# KiCad board OLD_PCB.kicad_pcb (continued)
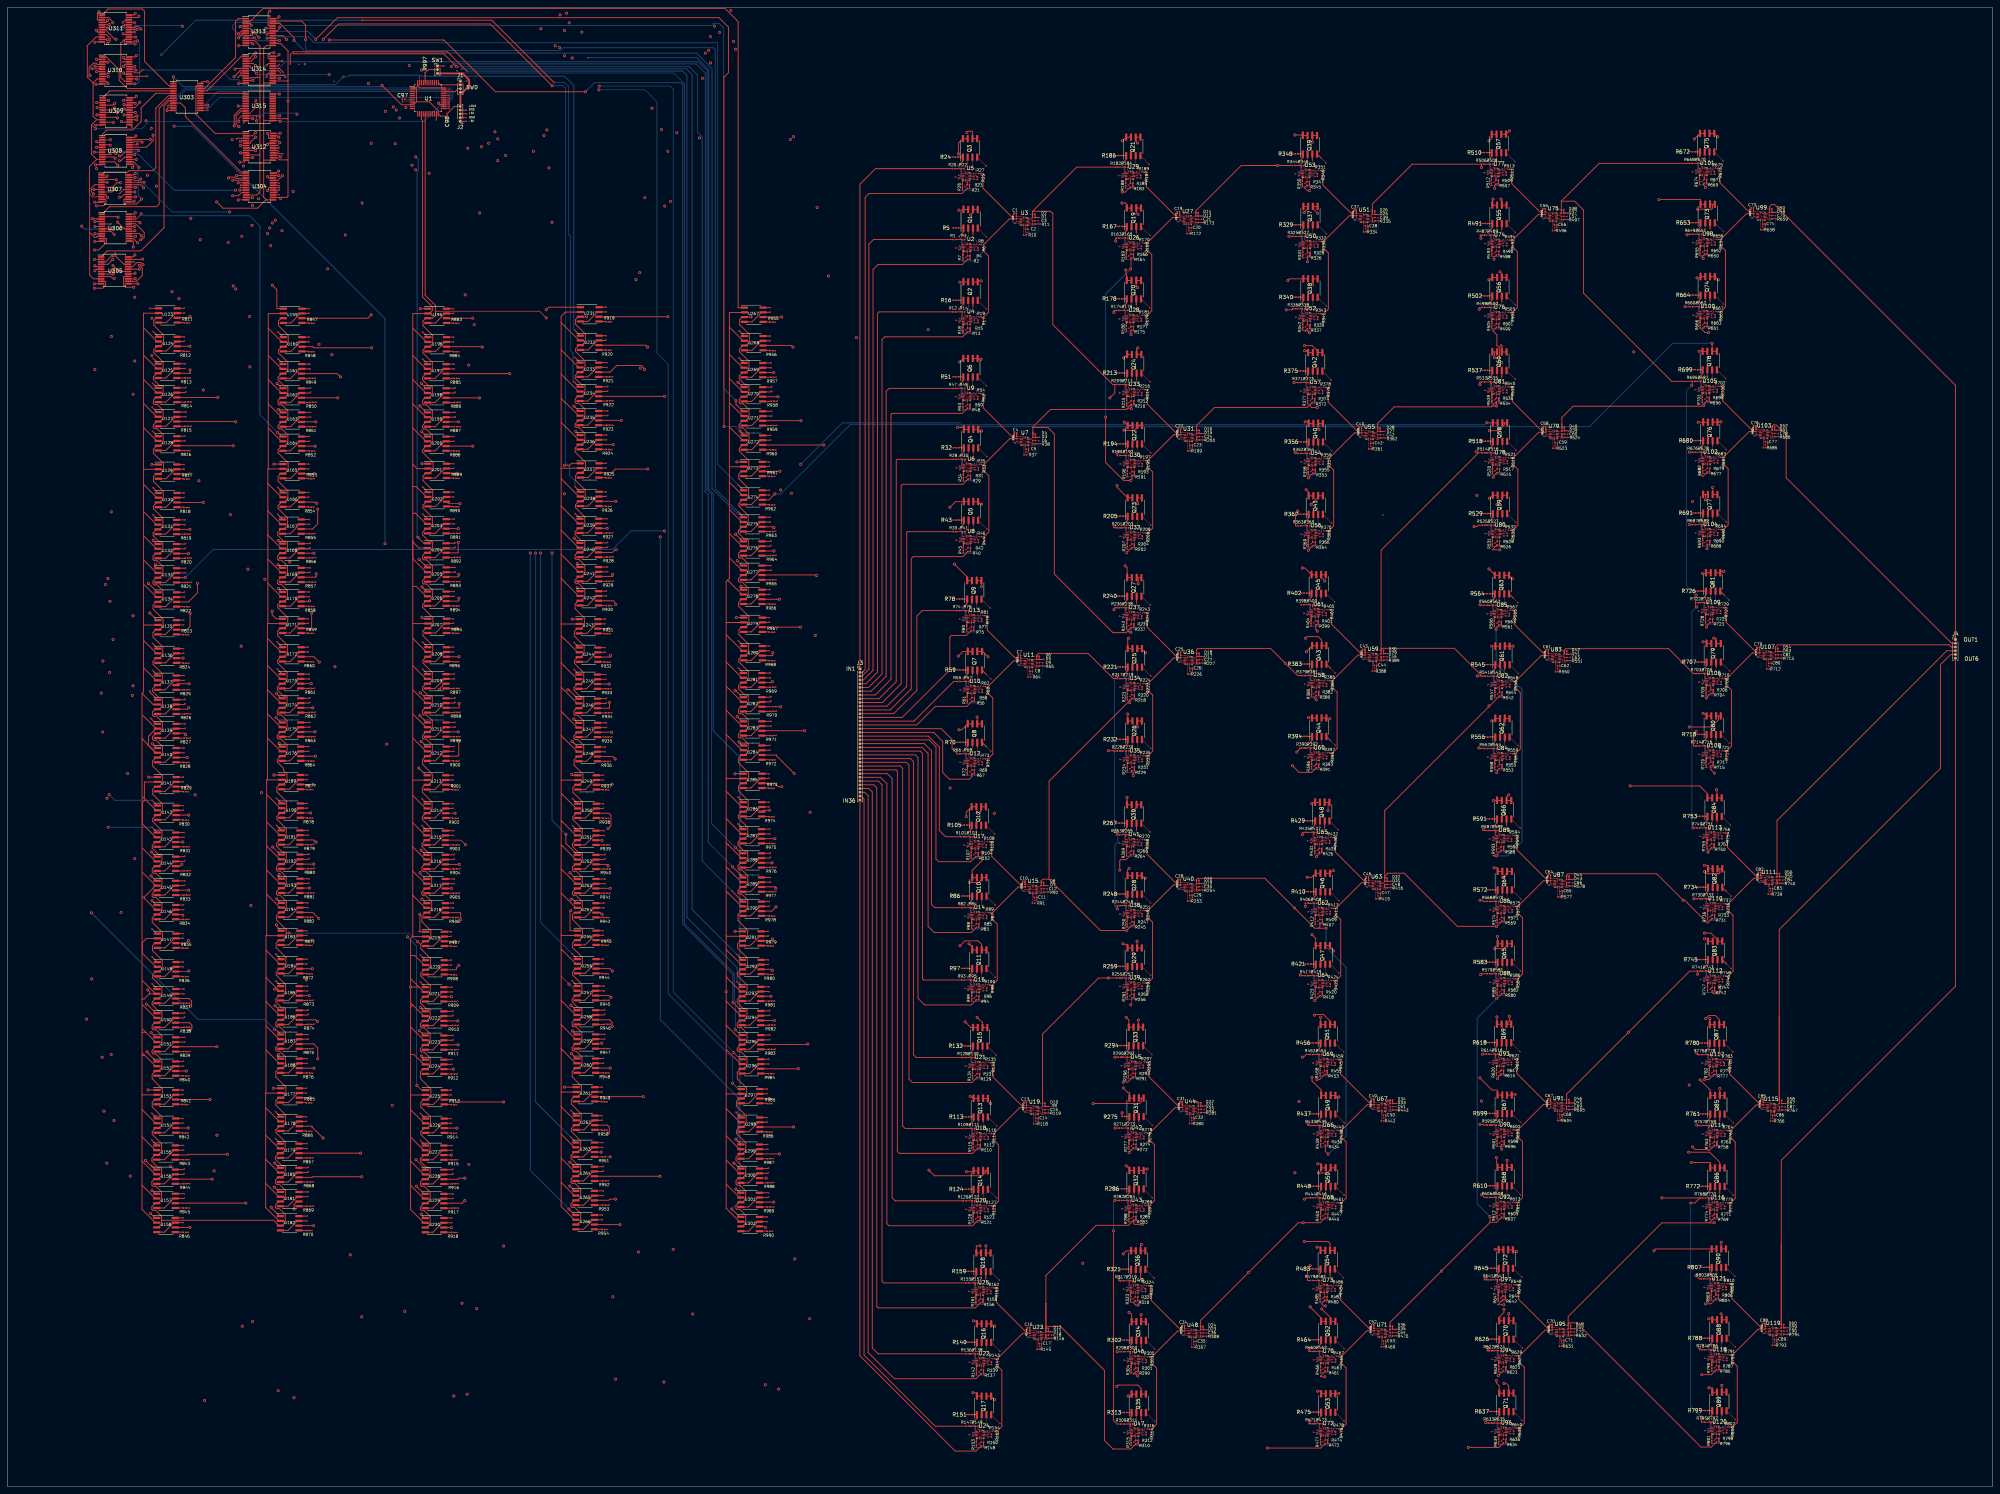
[diagram p0: board, top side]
## Routing (per net, layer and track width the routed paths; a pad name or vN(x,y) marks a point on that pad's centre or on a via; arc(x,y) is an arc through that point) (continued)
/Neuron6_13/IN2: length 363.8
  Top w0.1: U55.13 364.46,281.69 364.61,281.54 365.6,281.54 365.84,281.78
  Top w0.25: 396.19,288.34 396.42,288.57 v2(397.57,288.57) R534.1 ; 396.19,288.34 370.24,288.34 365.83,283.93 365.83,282.86 ; 396.19,288.34 397.56,289.72 397.57,289.72 ; R642.1 399.26,49.92 397.89,48.54 v2(399.51,48.54) ; R561.1 398.22,230.06 397.25,229.1 v2(397.45,228.9) ; v2(397.08,346.71) 397.08,347.53 397.42,347.86 R507.1 ; D27.2 365.83,281.79 365.83,282.86 ; v2(397.84,108.94) 397.84,109.23 398.8,110.19 R615.1 ; R588.1 398.82,169.92 397.45,168.54 396.68,168.54 396.79,168.43 v2(397.56,168.43) ; 365.83,282.86 D28.1
  In3.Cu w0.25: v2(397.56,168.43) 399.97,166.02 399.97,114.92 399.72,114.67 399.72,110.83 v2(397.84,108.94) 399.7,107.08 399.7,88.42 399.51,88.23 v2(399.51,48.54) ; v2(397.45,228.9) 398.18,229.64 398.18,249.4 397.71,249.87 397.71,256 396.98,256.73 396.98,268.68 398.17,269.88 398.17,287.97 v2(397.57,288.57) 398.19,289.18 398.19,304.19 398.03,304.35 398.03,311.32 397.65,311.69 397.65,325.86 397.73,325.94 397.73,346.06 v2(397.08,346.71)
  Bottom w0.25: v2(397.56,168.43) 400.63,168.43 404.38,172.19 404.38,212.86 397.45,219.8 v2(397.45,228.9)
/Neuron6_13/IN3: length 347.4
  Top w0.1: U59.13 365.39,222.35 U59.12 366.52,222.2 D29.2
  Top w0.25: R541.1 394.48,216.41 393.75,216.41 ; 393.75,216.41 393.4,216.41 393.35,216.47 v2(392.45,216.47) ; 393.75,216.41 386.31,223.86 367,223.86 366.76,223.61 D30.1 366.76,223.23 ; 366.76,223.23 366.76,222.45 D29.2 ; 366.76,223.23 366.76,250.07 392.75,276.06 ; v2(393.4,333.36) 393.4,333.95 393.14,334.21 R487.1 ; 392.75,276.06 393.83,276.06 ; 392.75,276.06 392.47,276.35 v2(392.14,276.35) ; v2(393.15,156.59) 393.69,156.59 394.01,156.26 R568.1 ; R595.1 395.06,96.54 393.98,96.54 393.82,96.71 v2(393.15,96.71) ; v2(395.29,37.07) 395.29,36.56 394.99,36.26 R622.1
  In1.Cu w0.25: v2(392.14,276.35) 392.02,276.47 392.02,331.99 v2(393.4,333.36)
  In3.Cu w0.25: v2(392.45,216.47) 392.09,216.11 392.09,157.64 v2(393.15,156.59) 392.36,155.8 392.36,97.49 v2(393.15,96.71) 392.78,96.34 392.78,39.58 v2(395.29,37.07)
/Neuron6_13/OUT: length 358.7
  Top w0.1: U75.13 413.5,340 U75.12 414.64,339.85 D37.2
  Top w0.2: v2(450.86,238) 450.73,237.88 R722.1 450.73,235.16 v2(450.98,234.91) ; v2(449.7,294.1) 449.83,294.23 R695.1
  Top w0.25: D38.1 414.87,340.88 ; 414.87,340.88 414.87,343.27 ; 414.87,340.88 414.87,340.1 D37.2 414.88,340.09 414.76,339.97 ; R695.1 444.34,295.16 420.8,318.7 420.8,340.9 418.43,343.27 414.87,343.27 ; v2(450.96,115.84) 450.96,115.57 451.19,115.34 R776.1 ; R668.1 424.96,353.36 414.87,343.27 ; v2(450.85,56.33) 451.72,55.45 R803.1 ; R749.1 v2(450.04,175.9)
  In3.Cu w0.25: 450.5,115.84 450.24,115.58 450.24,91.41 450.85,90.81 v2(450.85,56.33) ; 450.5,115.84 449.55,116.79 449.55,175.4 v2(450.04,175.9) ; 450.5,115.84 v2(450.96,115.84)
  Bottom w0.2: v2(450.04,175.9) 449.74,176.2 449.74,233.66 v2(450.98,234.91) ; v2(450.86,238) 448.3,240.56 448.3,292.7 v2(449.7,294.1)
/Neuron6_14/Adder2/SUM_IN: length 73
  Top w0.1: 410.74,281.57 410.87,281.7 U79.1
  Top w0.25: R540.2 401.8,293.61 v1(401.8,291.9) 401.8,289.79 410.02,281.57 ; 396.47,271.14 396.47,270.38 v1(396.45,270.36) ; 410.02,281.57 408.85,281.57 401.95,274.67 v1(401.95,272.96) 403.27,271.64 403.27,256.67 401.94,255.35 v1(401.94,253.64) ; 410.02,281.57 410.74,281.57 ; R539.2 396.32,289.7 396.32,289.7 ; R531.2 396.46,251.06 v1(396.44,251.04) ; v1(396.3,289.3) 396.32,289.32 396.32,289.7 ; 396.32,290.08 396.32,289.7
  Bottom w0.25: v1(401.8,291.9) 399.2,289.3 v1(396.3,289.3) ; v1(396.44,251.04) 399.34,251.04 v1(401.94,253.64) ; v1(401.95,272.96) 399.35,270.36 v1(396.45,270.36)
/Neuron6_14/OUT: length 364.6
  Top w0.1: 415.03,281.94 414.79,281.7 U79.12 413.65,281.85 U79.13
  Top w0.25: 415.02,281.95 D39.2 ; 415.02,281.95 415.02,281.95 415.02,283.74 ; 415.02,281.95 415.03,281.94 ; 453.72,289.88 R696.1 453.71,289.88 452.75,288.92 ; 452.75,288.92 452.34,288.51 418.01,288.51 415.02,285.52 415.02,283.74 ; 452.75,288.92 v2(452.95,288.72) ; v2(453.38,346.93) 453.38,347.05 452.68,347.75 453.01,348.08 R669.1 ; R804.1 456.15,50.17 454.78,48.8 v2(453.38,48.8) ; 415.02,283.74 415.02,283.73 D40.1 ; v2(453.65,229.53) 453.65,229.8 454.62,230.76 R723.1 ; v2(454.04,169.38) 454.04,169.65 455,170.61 R750.1 ; R777.1 455.61,110.05 454.24,108.68 v2(453.07,108.68)
  In1.Cu w0.25: v2(453.38,48.8) 452.03,50.14 452.03,57.27 451.6,57.7 451.6,58.79 451.73,58.91 451.73,79.39 451.24,79.87 451.24,87.08 451.87,87.71 451.87,97.97 453.07,99.17 v2(453.07,108.68) ; v2(452.95,288.72) 452.95,272.03 451.77,270.85 451.77,258.85 450.08,257.16 450.08,232.87 453.43,229.53 v2(453.65,229.53)
  In3.Cu w0.25: v2(452.95,288.72) 453.68,289.46 453.68,307.66 453.42,307.92 453.42,308.64 453.61,308.83 453.61,346.7 v2(453.38,346.93) ; 455,169.38 455,215.07 453.65,216.41 v2(453.65,229.53) ; 455,169.38 455.26,169.12 455.26,112.1 453.07,109.91 v2(453.07,108.68) ; 455,169.38 v2(454.04,169.38)
/Neuron6_15/Adder2/SUM_IN: length 72.6
  Top w0.1: U83.1 411.53,222.05 R549.1
  Top w0.25: v1(396.95,229.65) 396.97,229.66 R566.2 ; 410.67,221.92 402.45,230.13 v1(402.45,232.25) 402.45,233.95 R567.2 ; 410.67,221.92 R549.1 ; 410.67,221.92 409.5,221.92 R548.2 402.6,215.02 v1(402.6,213.31) 403.92,211.99 403.92,197.02 402.6,195.69 v1(402.6,193.98) ; v1(397.1,210.71) 397.12,210.73 R547.2 ; 397.12,192.17 397.12,191.4 v1(397.1,191.38)
  Bottom w0.25: v1(402.6,193.98) 400,191.38 v1(397.1,191.38) ; v1(402.45,232.25) 399.85,229.65 v1(396.95,229.65) ; v1(397.1,210.71) 400,210.71 v1(402.6,213.31)
/Neuron6_15/OUT: length 348.1
  Top w0.1: U83.13 414.3,222.2 U83.12 415.44,222.05 D41.2
  Top w0.25: v2(448.44,334.32) 448.44,334.32 448.55,334.43 R649.1 ; v2(451.02,96.53) 451.15,96.4 R757.1 ; 449.98,276.23 R676.1 v2(449.09,276.23) ; 415.68,222.29 D41.2 415.68,222.29 ; 415.68,222.29 415.67,222.3 415.67,222.74 ; R784.1 452.41,36.52 451.76,36.52 v2(451.76,37.09) ; v2(450.27,156.96) R730.1 ; D42.1 415.67,222.74 ; D42.1 415.67,222.74 ; D42.1 415.67,223.41 416.03,223.77 443.5,223.77 v2(447.1,220.16) 450.15,217.11 R703.1
  In1.Cu w0.25: v2(451.76,37.09) 451.57,37.27 451.57,57.09 451.15,57.51 451.15,58.98 451.27,59.1 451.27,78.64 450.74,79.18 450.74,96.24 v2(451.02,96.53) ; v2(449.09,276.23) 447.1,274.24 v2(447.1,220.16) 447.1,160.13 v2(450.27,156.96)
  In3.Cu w0.25: v2(449.09,276.23) 448.63,276.68 448.63,316.77 448.21,317.19 448.21,334.09 v2(448.44,334.32) ; v2(451.02,96.53) 451.02,114.54 451.7,115.22 451.7,116.28 450.27,117.7 v2(450.27,156.96)
/Neuron6_16/Adder2/SUM_IN: length 73
  Top w0.1: U87.1 412.13,161.9 412,161.77
  Top w0.25: 411.28,161.77 410.11,161.77 403.21,154.87 v1(403.21,153.16) 404.53,151.84 404.53,136.87 403.2,135.55 v1(403.2,133.84) ; 411.28,161.77 403.06,169.99 v1(403.06,172.1) 403.06,173.81 R594.2 ; 411.28,161.77 412,161.77 ; R593.2 397.58,169.9 397.58,169.9 ; R585.2 397.72,131.26 v1(397.7,131.24) ; 397.58,170.28 397.58,169.9 ; 397.58,169.9 397.58,169.52 v1(397.56,169.5) ; 397.73,151.35 397.73,150.58 v1(397.71,150.56)
  Bottom w0.25: v1(403.2,133.84) 400.6,131.24 v1(397.7,131.24) ; v1(397.56,169.5) 400.46,169.5 v1(403.06,172.1) ; v1(403.21,153.16) 400.61,150.56 v1(397.71,150.56)
/Neuron6_16/OUT: length 373.2
  Top w0.1: U87.13 414.91,162.05 U87.12 416.05,161.9 416.29,162.14
  Top w0.25: v2(451.7,271.81) 451.7,270.83 452.07,270.45 452.07,270.31 452.6,269.79 452.7,269.79 453.86,270.94 R677.1 ; v2(452.76,327.98) 452.38,328.36 453.16,329.14 R650.1 ; R758.1 455.76,91.12 454.5,89.86 453.97,89.86 453.82,90.01 450.61,90.01 v2(449.91,90.72) ; 456.31,31.23 R785.1 ; 456.31,31.23 456.3,31.23 454.94,29.87 v2(452.35,29.87) ; 456.31,31.23 456.31,31.23 ; 416.28,162.15 416.29,162.14 ; 416.28,162.15 416.28,162.15 D44.1 416.28,163.28 416.65,163.65 440.33,163.65 v2(447.4,156.59) 447.79,156.59 453.89,150.49 453.96,150.49 455.15,151.68 R731.1 ; 416.28,162.15 D43.2 ; R704.1 454.77,211.83 453.8,210.86 453.8,210.77 v2(453.62,210.59)
  In1.Cu w0.25: v2(447.4,156.59) 447.4,93.23 v2(449.91,90.72)
  In3.Cu w0.25: v2(452.35,29.87) 450.12,32.1 450.12,79.4 450.35,79.63 450.35,90.27 v2(449.91,90.72) ; 453.5,210.59 450.12,213.96 450.12,258.6 451.7,260.17 v2(451.7,271.81) 452.21,272.31 452.21,287.43 451.86,287.77 451.86,289.82 452.42,290.38 452.42,308.28 453.15,309.01 453.15,327.59 v2(452.76,327.98) ; 453.5,210.59 447.4,204.49 v2(447.4,156.59) ; 453.5,210.59 v2(453.62,210.59)
/Neuron6_17/Adder2/SUM_IN: length 73
  Top w0.1: R603.1 412.11,102.18 U91.1
  Top w0.25: v1(403.18,74.11) 403.18,75.82 404.5,77.15 404.5,92.12 v1(403.18,93.44) 403.18,95.15 410.08,102.05 411.25,102.05 ; v1(397.53,109.78) 397.55,109.79 397.55,110.18 ; 397.55,110.18 R620.2 397.55,110.18 ; R601.2 397.7,90.86 v1(397.68,90.84) ; v1(397.68,71.51) 397.7,71.53 R612.2 ; 411.25,102.05 403.03,110.26 v1(403.03,112.38) 403.03,114.08 R621.2 ; 411.25,102.05 R603.1
  Bottom w0.25: v1(403.18,93.44) 400.58,90.84 v1(397.68,90.84) ; v1(397.53,109.78) 400.44,109.78 v1(403.03,112.38) ; v1(397.68,71.51) 400.58,71.51 v1(403.18,74.11)
/Neuron6_17/OUT: length 363.4
  Top w0.1: D45.2 416.02,102.18 U91.12 414.88,102.33 U91.13
  Top w0.25: 416.26,102.42 D45.2 416.26,102.42 ; 416.26,102.42 416.25,102.43 416.25,103.31 ; v2(447.91,315.1) R660.1 ; 450.88,197.79 450.88,197.79 ; 450.88,197.79 450.15,197.79 450.15,200.98 v2(450.89,201.72) ; 450.88,197.79 R714.1 ; v2(441.75,77.08) R768.1 450.5,75.7 v2(449.39,75.7) ; v2(451.26,136.82) R741.1 451.26,137.64 449.14,137.64 v2(432.8,121.3) 416.3,104.8 416.3,103.35 416.25,103.31 ; v2(449.07,256.9) 449.97,256.9 R687.1 ; 416.25,103.31 D46.1 ; R795.1 452.3,17.3 v2(452.3,18.5)
  In1.Cu w0.25: v2(449.07,256.9) 449.07,204.32 450.89,202.5 v2(450.89,201.72) 449.31,200.14 449.31,159.15 451.01,157.45 451.01,154.86 451.72,154.15 451.72,137.28 v2(451.26,136.82)
  In3.Cu w0.25: v2(449.07,256.9) 447.91,258.06 v2(447.91,315.1) ; v2(441.74,77.08) 441.74,112.36 v2(432.8,121.3)
  Bottom w0.25: v2(449.39,75.7) 449.39,21.41 v2(452.3,18.5)
/Neuron6_18/Adder2/SUM_IN: length 73
  Top w0.1: 412.44,41.77 412.57,41.9 U95.1
  Top w0.25: 411.72,41.77 410.55,41.77 403.65,34.87 v1(403.65,33.16) 404.97,31.84 404.97,16.87 403.64,15.55 v1(403.64,13.84) ; 411.72,41.77 412.44,41.77 ; 411.72,41.77 403.5,49.99 v1(403.5,52.1) 403.5,53.81 R648.2 ; 398.02,49.9 398.02,49.52 v1(398,49.5) ; 398.02,49.9 398.02,49.9 R647.2 ; 398.02,49.9 398.02,50.28 ; v1(398.15,30.56) 398.17,30.58 398.17,31.35 ; R639.2 398.16,11.26 v1(398.14,11.24)
  Bottom w0.25: v1(398.14,11.24) 401.04,11.24 v1(403.64,13.84) ; v1(398,49.5) 400.9,49.5 v1(403.5,52.1) ; v1(403.65,33.16) 401.05,30.56 v1(398.15,30.56)
/Neuron6_18/OUT: length 362.8
  Top w0.1: 416.73,42.14 416.49,41.9 U95.12 415.35,42.05 U95.13
  Top w0.25: 416.72,43.22 416.72,43.42 417,43.7 419,43.7 452.17,10.53 454.92,10.53 456.29,11.91 R796.1 ; 416.72,43.22 D48.1 ; 416.72,43.22 D48.1 ; 416.72,42.15 416.72,42.15 D48.1 ; 416.72,42.15 D47.2 ; 416.72,42.15 416.73,42.14 ; v2(453.78,250.47) 453.86,250.55 453.86,251.62 453.87,251.62 ; 454.39,70.42 441.72,70.42 416.7,45.4 416.7,43.05 D48.1 ; 454.39,70.42 455.62,70.42 v2(455.7,70.5) ; 454.39,70.42 455.76,71.79 R769.1 ; R661.1 453.16,309.82 452.39,309.05 453.25,308.19 v2(454.18,308.19) ; 455.15,132.35 R742.1 455.15,131.95 455.5,131.6 456.9,131.6 457.2,131.9 v2(457.2,133.7) ; 453.87,251.62 R688.1 453.87,251.62 ; v2(455.74,190.52) 454.71,191.55 454.77,191.61 R715.1 454.76,192.5
  In3.Cu w0.25: v2(454.18,308.19) 454.18,250.87 v2(453.78,250.47) 454.81,249.44 454.81,219.82 455.74,218.88 v2(455.74,190.52) 455.57,190.35 455.57,169.93 456.32,169.18 456.32,134.58 v2(457.2,133.7) 456.46,132.96 456.46,71.26 v2(455.7,70.5)
/Neuron6_19/Adder2/SUM_IN: length 72.6
  Top w0.1: 467.35,340.06 466.32,340.06 R657.1
  Top w0.25: R666.2 451.91,309.42 v1(451.89,309.4) ; R674.2 451.77,347.68 v1(451.75,347.66) ; 465.47,339.93 457.25,348.15 v1(457.25,350.26) 457.25,351.97 R675.2 ; 465.47,339.93 R657.1 ; 465.47,339.93 464.3,339.93 R656.2 ; 457.42,333.06 457.4,333.03 v1(457.4,331.33) 458.72,330.01 458.72,315.03 R667.2 457.39,313.71 v1(457.39,312) ; 457.42,333.06 R656.2 ; 457.42,333.06 R656.2 ; 451.92,329.51 451.92,328.75 v1(451.9,328.73)
  Bottom w0.25: v1(457.25,350.26) 454.65,347.66 v1(451.75,347.66) ; v1(457.4,331.33) 454.8,328.73 v1(451.9,328.73) ; v1(451.89,309.4) 454.79,309.4 v1(457.39,312)
/Neuron6_20/Adder2/SUM_IN: length 72.7
  Top w0.1: 468.05,281.86 467.02,281.86 R684.1
  Top w0.25: v1(458.09,253.8) 458.09,255.51 R694.2 459.42,256.84 459.42,271.81 v1(458.1,273.13) 458.1,274.84 R683.2 465,281.73 466.17,281.73 ; 452.62,271.31 452.62,270.55 v1(452.6,270.53) ; R693.2 452.61,251.22 v1(452.59,251.2) ; 466.17,281.73 457.95,289.95 v1(457.95,292.06) 457.95,293.77 457.97,293.79 ; 466.17,281.73 R684.1 466.96,281.8 ; 452.47,290.25 452.47,289.48 v1(452.45,289.46) ; 457.97,293.79 458,293.82 457.97,293.79
  Bottom w0.25: v1(457.95,292.06) 455.35,289.46 v1(452.45,289.46) ; v1(452.59,251.2) 455.49,251.2 v1(458.09,253.8) ; v1(458.1,273.13) 455.5,270.53 v1(452.6,270.53)
/Neuron6_21/Adder2/SUM_IN: length 72.6
  Top w0.1: 468.95,222.75 467.93,222.75 R711.1 467.8,222.62
  Top w0.25: v1(453.5,211.41) 453.52,211.43 R709.2 ; 467.07,222.62 467.8,222.62 ; 467.07,222.62 465.9,222.62 R710.2 459,215.72 v1(459,214.01) 460.32,212.69 460.32,197.72 R721.2 459,196.39 v1(459,194.69) ; 467.07,222.62 458.85,230.83 v1(458.85,232.95) 458.85,234.65 R729.2 ; v1(453.35,230.35) 453.37,230.37 R728.2 ; 453.52,192.87 453.52,192.1 v1(453.5,192.09)
  Bottom w0.25: v1(453.35,230.35) 456.25,230.35 v1(458.85,232.95) ; v1(459,214.01) 456.4,211.41 v1(453.5,211.41) ; v1(459,194.69) 456.4,192.09 v1(453.5,192.09)
/Neuron6_22/Adder2/SUM_IN: length 72.6
  Top w0.1: U111.1 468.31,162.6 468.18,162.47
  Top w0.25: v1(453.88,131.94) 453.9,131.96 R747.2 ; 467.45,162.47 459.24,170.69 v1(459.24,172.8) 459.24,174.51 R756.2 ; 467.45,162.47 468.18,162.47 ; 467.45,162.47 466.29,162.47 R737.2 459.39,155.57 v1(459.39,153.86) 460.71,152.54 460.71,137.57 459.43,136.29 459.38,136.24 v1(459.38,134.54) ; R736.2 453.9,151.28 v1(453.89,151.26) ; R755.2 453.76,170.22 v1(453.74,170.2)
  Bottom w0.25: v1(459.39,153.86) 456.79,151.26 v1(453.89,151.26) ; v1(459.38,134.54) 456.78,131.94 v1(453.88,131.94) ; v1(453.74,170.2) 456.64,170.2 v1(459.24,172.8)
/Neuron6_23/Adder2/SUM_IN: length 73
  Top w0.1: 469.95,102.04 468.92,102.04 468.79,101.91
  Top w0.25: 459.87,113.97 R783.2 459.87,113.97 ; 459.87,113.97 459.85,113.94 v1(459.85,112.24) 459.85,110.12 468.07,101.91 ; v1(454.35,109.64) 454.37,109.66 454.37,110.04 ; v1(454.5,71.38) 454.51,71.39 R774.2 ; R782.2 454.37,110.04 454.37,110.04 ; v1(460,73.98) 460,75.68 461.32,77.01 461.32,91.98 v1(460,93.3) 460,95.01 466.9,101.91 468.07,101.91 ; 454.37,110.04 454.37,110.42 ; 468.07,101.91 468.79,101.91 ; v1(454.5,90.7) 454.52,90.72 454.52,91.48
  Bottom w0.25: v1(459.85,112.24) 457.25,109.64 v1(454.35,109.64) ; v1(454.5,71.38) 457.39,71.38 v1(460,73.98) ; v1(454.5,90.7) 457.4,90.7 v1(460,93.3)
/Neuron6_24/Adder2/SUM_IN: length 72.6
  Top w0.1: U119.1 469.46,42.15 R792.1
  Top w0.25: v1(455.03,11.49) 455.05,11.51 R801.2 ; v1(454.88,49.75) 454.9,49.77 R809.2 ; 460.41,54.08 R810.2 460.41,54.08 ; 460.41,54.08 460.38,54.06 v1(460.38,52.35) 460.38,50.24 468.6,42.02 ; 468.6,42.02 467.43,42.02 R791.2 460.53,35.12 v1(460.53,33.42) 461.85,32.1 461.85,17.12 460.57,15.84 460.53,15.8 v1(460.53,14.09) ; 468.6,42.02 R792.1 ; v1(455.03,30.81) 455.05,30.83 R790.2
  Bottom w0.25: v1(454.88,49.75) 457.78,49.75 v1(460.38,52.35) ; v1(455.03,11.49) 457.93,11.49 v1(460.53,14.09) ; v1(455.03,30.81) 457.93,30.81 v1(460.53,33.42)
/Neuron6_in1/Adder2/SUM_IN: length 73
  Top w0.1: R9.1 269.52,338.66 270.55,338.66
  Top w0.25: 255.11,308.4 255.11,308.4 R18.2 255.11,308.4 ; 255.11,308.4 255.11,308.02 v1(255.09,308) ; v1(254.95,346.26) 254.97,346.28 R26.2 ; 255.12,328.11 255.12,327.35 v1(255.1,327.33) ; 260.5,350.62 260.45,350.57 v1(260.45,348.86) 260.45,346.75 268.67,338.53 ; v1(260.59,310.6) 260.59,312.31 R19.2 261.92,313.63 261.92,328.61 v1(260.6,329.93) 260.6,331.63 R8.2 267.5,338.53 268.67,338.53 ; 268.67,338.53 R9.1
  Bottom w0.25: v1(260.59,310.6) 257.99,308 v1(255.09,308) ; v1(260.6,329.93) 258,327.33 v1(255.1,327.33) ; v1(254.95,346.26) 257.85,346.26 v1(260.45,348.86)
/Neuron6_in2/Adder2/SUM_IN: length 72.7
  Top w0.1: R36.1 269.62,279.96 270.65,279.96
  Top w0.25: 255.07,288.35 255.07,287.58 v1(255.05,287.56) ; 260.57,291.89 R54.2 260.57,291.89 ; 260.57,291.89 260.55,291.87 v1(260.55,290.16) 260.55,288.05 268.77,279.83 ; 268.77,279.83 R36.1 269.56,279.9 ; 268.77,279.83 267.6,279.83 R35.2 260.7,272.94 v1(260.7,271.23) 262.02,269.91 262.02,254.94 R46.2 260.69,253.61 v1(260.69,251.9) ; R45.2 255.21,249.32 v1(255.19,249.3) ; 255.22,269.41 255.22,268.65 v1(255.2,268.63)
  Bottom w0.25: v1(260.55,290.16) 257.95,287.56 v1(255.05,287.56) ; v1(255.19,249.3) 258.09,249.3 v1(260.69,251.9) ; v1(255.2,268.63) 258.1,268.63 v1(260.7,271.23)
/Neuron6_in3/Adder2/SUM_IN: length 73.4
  Top w0.1: 271.69,220.63 270.66,220.63 R63.1
  Top w0.25: 269.81,220.5 R63.1 ; 269.81,220.5 268.64,220.5 R62.2 261.74,213.6 v1(261.74,211.89) 263.06,210.57 263.06,195.6 R73.2 261.74,194.27 v1(261.74,192.57) ; 269.81,220.5 261.59,228.71 v1(261.59,230.83) 261.59,232.54 261.64,232.58 ; v1(256.24,209.29) 256.26,209.31 256.26,209.69 ; 256.26,190.37 R72.2 256.26,190.37 ; 256.26,190.37 256.26,189.99 v1(256.24,189.97) ; 256.26,210.07 256.26,209.69 ; 256.26,209.69 256.26,209.69 R61.2 ; 256.11,229.01 256.11,228.25 v1(256.09,228.23)
  Bottom w0.25: v1(256.24,209.29) 259.14,209.29 v1(261.74,211.89) ; v1(256.09,228.23) 258.99,228.23 v1(261.59,230.83) ; v1(256.24,189.97) 259.14,189.97 v1(261.74,192.57)
/Neuron6_in4/Adder2/SUM_IN: length 72.7
  Top w0.1: 272.88,160.24 271.86,160.24 271.73,160.11
  Top w0.25: 262.81,172.17 R108.2 262.81,172.17 ; 262.81,172.17 262.78,172.15 v1(262.78,170.44) 262.78,168.33 271,160.11 ; R107.2 257.3,167.86 v1(257.28,167.84) ; R88.2 257.45,148.92 v1(257.43,148.9) ; 271,160.11 269.83,160.11 R89.2 262.93,153.21 v1(262.93,151.5) 264.25,150.18 264.25,135.21 R100.2 262.93,133.89 v1(262.93,132.18) ; 271,160.11 271.73,160.11 ; R99.2 257.45,129.6 v1(257.43,129.58) ; R90.1 271.79,160.17 271.79,160.17
  Bottom w0.25: v1(257.28,167.84) 260.18,167.84 v1(262.78,170.44) ; v1(262.93,132.18) 260.33,129.58 v1(257.43,129.58) ; v1(262.93,151.5) 260.33,148.9 v1(257.43,148.9)
/Neuron6_in5/Adder2/SUM_IN: length 72.7
  Top w0.1: R117.1 272.22,101.26 273.25,101.26
  Top w0.25: 272.16,101.2 R117.1 271.37,101.13 ; v1(257.79,70.6) 257.81,70.62 R126.2 ; 271.37,101.13 263.15,109.35 v1(263.15,111.46) 263.15,113.17 263.17,113.19 ; 271.37,101.13 270.2,101.13 R116.2 263.3,94.24 v1(263.3,92.53) 264.62,91.21 264.62,76.24 R127.2 263.29,74.91 v1(263.29,73.2) ; 263.17,113.19 R135.2 263.17,113.19 ; v1(257.65,108.86) 257.67,108.88 257.67,109.65 ; 257.82,90.71 257.82,89.95 v1(257.8,89.93)
  Bottom w0.25: v1(257.8,89.93) 260.7,89.93 v1(263.3,92.53) ; v1(263.29,73.2) 260.69,70.6 v1(257.79,70.6) ; v1(257.65,108.86) 260.55,108.86 v1(263.15,111.46)
/Neuron6_in6/Adder2/SUM_IN: length 73
  Top w0.1: R144.1 273.11,41.08 U23.1
  Top w0.25: 272.25,40.95 R144.1 ; 272.25,40.95 264.03,49.16 v1(264.03,51.28) 264.03,52.98 R162.2 ; 272.25,40.95 271.08,40.95 264.18,34.05 v1(264.18,32.34) 265.5,31.02 265.5,16.05 264.18,14.72 v1(264.18,13.01) ; 258.55,49.08 R161.2 258.55,49.08 ; 258.55,49.08 258.55,48.69 v1(258.53,48.68) ; R153.2 258.7,10.43 v1(258.68,10.41) ; R142.2 258.7,29.76 v1(258.68,29.74)
  Bottom w0.25: v1(258.53,48.68) 261.44,48.68 v1(264.03,51.28) ; v1(258.68,10.41) 261.58,10.41 v1(264.18,13.01) ; v1(264.18,32.34) 261.58,29.74 v1(258.68,29.74)
/NRST: length 2.1
  Top w0.1: U1.7 106.03,370.51 C97.2
/S0: length 245.7
  Top w0.2: 22.44,363.67 23.49,362.62 v2(23.49,362.61) ; 21.94,342.68 21.88,342.74 21.88,345.2 22.66,344.43 U307.10 ; U1.25 116.44,368 v1(117.9,368) ; v2(61.75,364.58) 61.75,365.3 62.52,366.08 U315.10 ; v2(66.48,364.7) 66.43,364.76 66.43,366.08
  Top w0.25: U304.10 66.62,344.93 67.4,345.7 67.4,355.4 ; 25.3,375.93 23.93,375.93 22.86,374.86 ; 23.8,365.03 25.4,365.03 ; 23.8,365.03 22.86,365.96 22.86,374.86 ; 23.8,365.03 22.44,363.67 22.44,355.79 23.81,354.43 ; 67.4,376.3 65.27,376.3 65.1,376.12 63.6,376.12 ; 67.4,376.3 67.4,365.7 ; 67.4,376.3 67.4,384.7 65.93,386.18 U313.10 ; 67.4,365.7 67.03,366.08 U315.10 ; 67.4,365.7 67.4,355.4 ; 25.2,387.12 23.66,387.12 21.31,384.77 21.31,376.41 22.86,374.86 ; 24,333.93 U306.10 24.02,333.93 23.7,333.6 23.27,333.6 21.94,334.93 ; 21.94,334.93 21.94,323.56 22.98,322.53 U305.10 ; 21.94,334.93 21.94,342.68 ; 23.81,354.43 U308.10 ; 23.81,354.43 21.88,352.49 21.88,345.2 ; 63.7,355.53 63.8,355.62 67.18,355.62 67.4,355.4
  In2.Cu w0.2: v2(77.3,366.5) 107.9,366.5 109.4,368 v1(117.9,368)
  Bottom w0.2: v2(23.49,362.61) 35.81,362.61 37.78,364.58 v2(61.75,364.58) ; v2(66.48,364.7) 68.58,366.8 77,366.8 v2(77.3,366.5)
/S1: length 250.4
  Top w0.2: v1(117.9,368.5) 116.44,368.5 U1.26
  Top w0.25: U311.11 26.59,386.48 v2(26.68,386.39) ; v2(65.5,354.9) 65.48,354.88 U312.11 ; U313.11 65.28,385.53 v2(65.5,385.3) ; U308.11 28.55,353.78 v2(29.46,352.86) ; U310.11 26.5,375.28 26.5,375.01 v2(26.81,374.7) ; U305.11 26.2,321.88 26.2,320.81 25.42,320.03 v2(23.21,320.03) ; v2(23.23,330.24) 24.39,330.24 26.4,332.25 26.4,333.28 U306.11 ; U304.11 63.77,344.2 v2(65.4,344.2) ; U307.11 26.06,343.78 26.3,343.53 26.3,342.67 25.67,342.05 v2(23.77,342.05) ; U314.11 65.48,375.48 v2(65.5,375.5) ; v2(65.5,365.3) 65.38,365.43 U315.11 ; U309.11 28.18,364.38 v2(28.27,364.28)
  In1.Cu w0.25: v2(65.5,385.3) v2(65.5,375.5) v2(65.5,365.3) v2(65.5,354.9) 65.5,344.3 v2(65.4,344.2) ; v2(23.77,342.05) 24.06,341.75 24.06,331.07 v2(23.23,330.24)
  In2.Cu w0.25: v2(23.77,351.98) 24.65,352.86 v2(29.46,352.86) ; v2(65.5,365.3) 38.67,365.3 37.14,363.76 28.79,363.76 v2(28.27,364.28)
  In3.Cu w0.2: v2(85.9,377.1) 98.97,377.1 107.57,368.5 v1(117.9,368.5)
  In3.Cu w0.25: v2(26.68,386.39) 27.68,385.38 27.68,374.7 ; 27.68,374.7 27.81,374.57 27.81,368.52 27.72,368.44 27.72,364.83 v2(28.27,364.28) 30.63,361.93 30.63,353.81 29.67,352.86 v2(29.46,352.86) ; 27.68,374.7 v2(26.81,374.7) ; v2(23.77,351.98) 24.05,351.7 24.05,342.32 v2(23.77,342.05) ; v2(23.21,320.03) 22.47,320.77 22.47,329.47 v2(23.23,330.24)
  Bottom w0.2: v2(65.5,375.5) 65.54,375.5 67.14,377.1 v2(85.9,377.1)
/S2: length 256.5
  Top w0.2: U1.27 116.44,369 v1(117.9,369)
  Top w0.25: v2(35.18,326.14) 35.29,326.14 35.99,325.44 35.99,323.4 34.46,321.87 33.4,321.87 33.4,321.88 U305.14 ; v2(35.78,343.84) 34.44,342.5 31.29,342.5 31.1,342.69 31.1,343.78 U307.14 ; 74.9,365.4 74.9,354.3 ; 74.9,365.4 74.8,365.3 72.47,365.3 72.35,365.43 U315.14 ; 74.9,365.4 v2(74.9,370.05) 74.9,375.5 ; 74.9,354.3 72.67,354.3 72.1,354.88 U312.14 ; 74.9,354.3 74.9,344.6 74.58,344.28 73.29,344.28 ; 74.9,375.5 74.9,383.4 72.9,385.4 72.05,385.4 71.93,385.53 U313.14 ; 74.9,375.5 74.78,375.38 70.9,375.38 U314.14 ; U309.14 30.59,364.38 v2(30.42,364.55) ; v2(35.1,352.32) 35.1,352.36 33.69,353.78 U308.14 ; U306.14 33.64,333.28 v2(34.74,332.17) ; 31.49,386.48 31.2,386.48 30.25,385.53 30.25,376.32 31.3,375.28 U310.14 ; 31.49,386.48 31.2,386.19 31.2,385.46 31.39,385.27 v2(34.14,385.27) ; 31.49,386.48 U311.14 ; v2(72.91,343.98) 73,343.98 73.29,344.28 ; v2(115.09,369.46) 115.53,369.01 U1.27 ; 73.29,344.28 U304.14
  In1.Cu w0.25: v2(34.14,385.27) 36.69,382.73 36.69,364.75 v2(36.97,364.75)
  In2.Cu w0.25: v2(36.97,364.75) 36.49,364.27 30.7,364.27 v2(30.42,364.55) ; v2(35.78,343.84) 57.35,343.84 58.34,342.85 71.78,342.85 v2(72.91,343.98) ; v2(74.9,370.05) 103.33,370.05 104.2,369.17 114.81,369.17 v2(115.09,369.46)
  In3.Cu w0.25: 35.18,332.01 v2(35.18,326.14) ; 35.18,332.01 34.91,332.01 v2(34.74,332.17) ; 35.18,332.01 35.59,332.01 36.51,332.92 36.51,343.11 v2(35.78,343.84)
  In4.Cu w0.25: v2(35.1,352.32) 32.62,354.8 31.6,354.8 30.42,355.98 v2(30.42,364.55)
  Bottom w0.25: v2(35.78,343.84) 34.88,344.75 34.88,352.09 v2(35.1,352.32)
/S3: length 222.7
  Top w0.2: v1(117.9,369.5) 116.44,369.5 U1.28 ; v2(72.8,364.58) 72.6,364.78 U315.13
  Top w0.25: 68.4,364.8 68.43,364.78 U315.13 ; 68.4,364.8 68.4,354.2 ; 68.4,364.8 68.4,374.8 ; U307.13 33.64,343.12 v2(33.78,343.27) ; U310.13 v2(33.98,374.62) ; U314.13 68.43,374.83 68.4,374.8 ; 69.02,343.68 69.08,343.62 U304.13 ; 69.02,343.68 66.74,341.39 57.53,341.39 v2(55.83,343.09) ; 69.02,343.68 68.4,344.3 68.4,354.2 ; U312.13 68.43,354.23 68.4,354.2 ; U309.13 32.62,363.73 v1(33.24,363.11) ; v2(33.38,352.27) 33.7,352.6 33.7,353.12 U308.13 ; v2(33.6,331.04) 33.6,332.62 U306.13 ; 68.4,374.8 68.4,384.1 69.18,384.88 U313.13 ; U311.13 33.67,385.83 33.95,386.1 v2(34.7,386.1) ; U305.13 34.8,321.23 v2(34.82,321.21)
  In1.Cu w0.2: v2(33.78,343.27) 33.18,342.67 33.18,331.46 v2(33.6,331.04)
  In1.Cu w0.25: v2(34.82,321.21) 34.85,321.24 34.85,322.88 34.4,323.33 33.68,323.33 33.26,323.74 33.26,331.04 v2(33.6,331.04) ; v2(33.38,352.27) 33.23,352.12 33.23,343.83 v2(33.78,343.27)
  In2.Cu w0.25: v2(55.83,343.09) 33.96,343.09 v2(33.78,343.27)
  In3.Cu w0.25: v2(33.38,352.27) 33.24,352.41 33.24,373.89 v2(33.98,374.62)
  Bottom w0.2: v2(72.8,364.58) 111.2,364.58 116.12,369.5 v1(117.9,369.5)